# Altium PCB CM5_Adapter.PcbDoc (part 1 of 2) (continued)
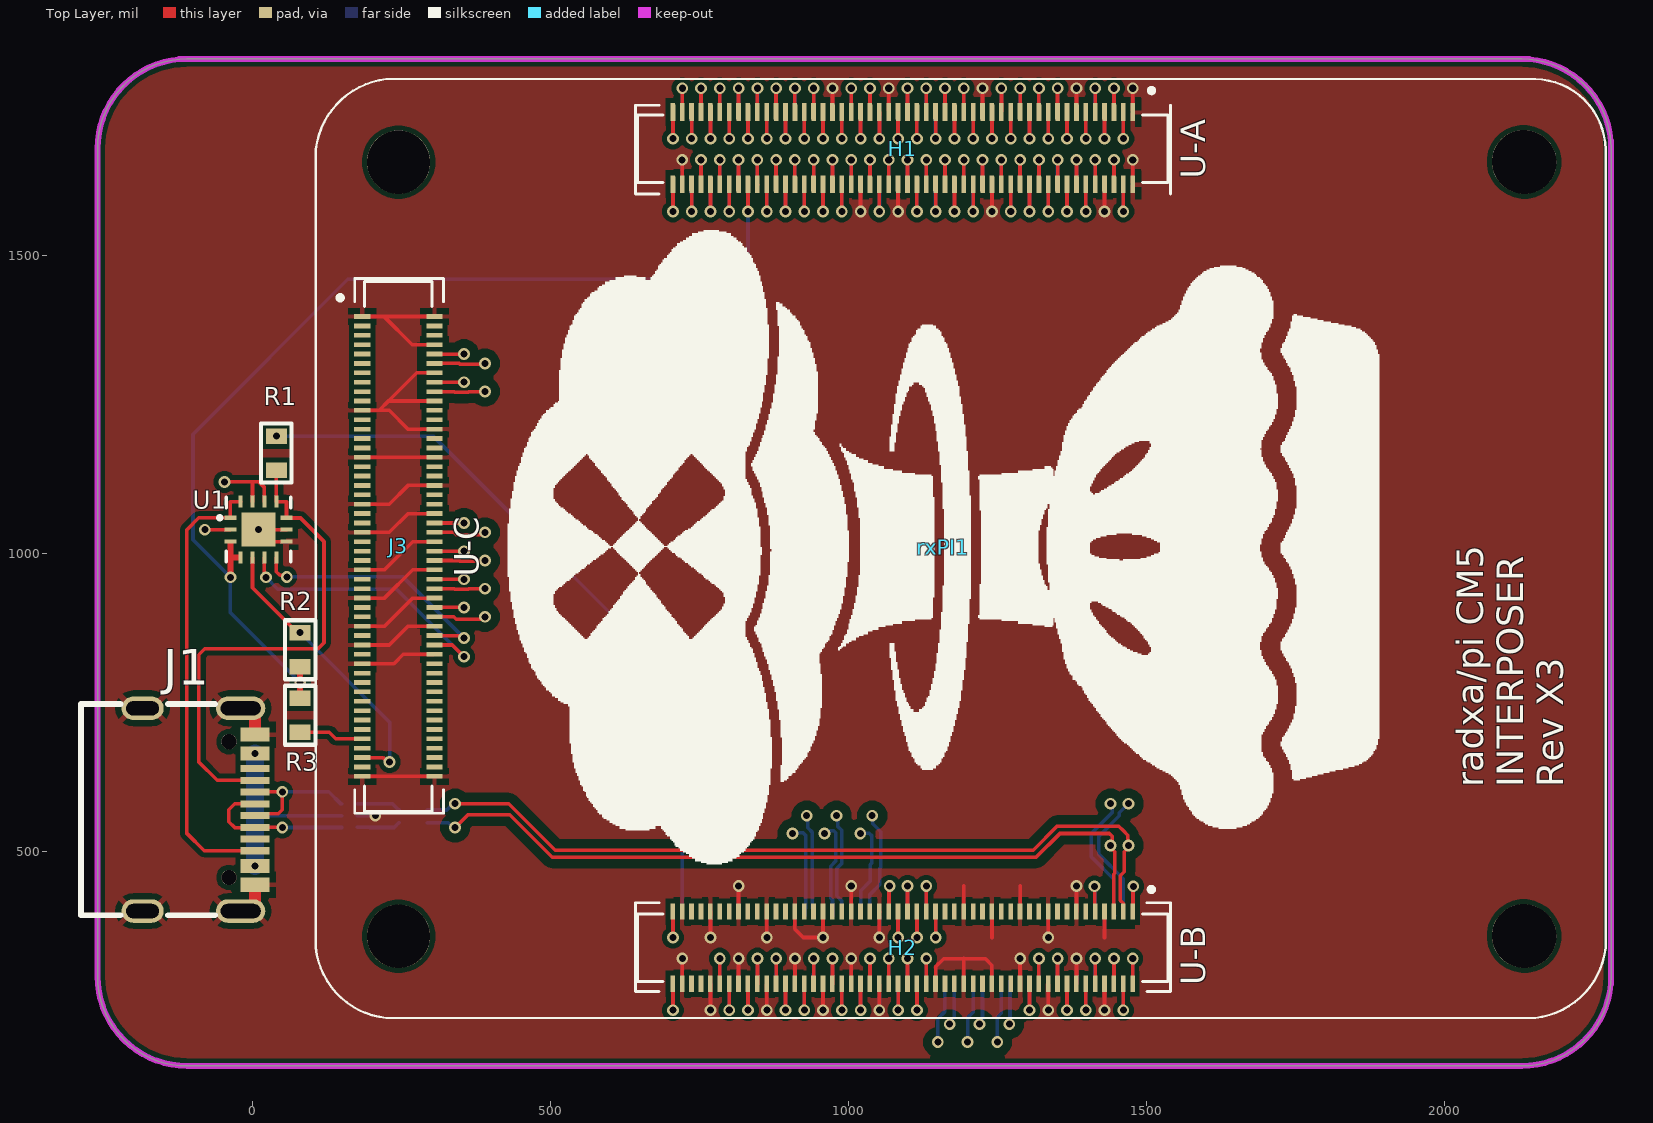
[diagram p0: Top Layer view]
## Footprints (in the part's own frame and the unit in brackets; to place one, negate y for a bottom-side part, rotate by r counter-clockwise, add the part's x,y. Pads: shape width x height; smd on the part's side, far side on the other; paste and mask are expansions set on the pad)
0603 [mil] "Common Chip Resistor 0603 (1608 Metric)"
  rect 26x35 smd: 1(0,0) 2(57,0)
  silkscreen extent -21,-26 78,26, body extent -2,-16 59,16, height 17
DF40C-100DP-0.4V(51) [mm]
  rect 0.23x0.66 smd: 1(-9.8,-1.355) 2(-9.8,1.355) 3(-9.4,-1.355) 4(-9.4,1.355) 5(-9,-1.355) 6(-9,1.355) 7(-8.6,-1.355) 8(-8.6,1.355) 9(-8.2,-1.355) 10(-8.2,1.355) 11(-7.8,-1.355) 12(-7.8,1.355) 13(-7.4,-1.355) 14(-7.4,1.355) 15(-7,-1.355) 16(-7,1.355) 17(-6.6,-1.355) 18(-6.6,1.355) 19(-6.2,-1.355) 20(-6.2,1.355) 21(-5.8,-1.355) 22(-5.8,1.355) 23(-5.4,-1.355) 24(-5.4,1.355) 25(-5,-1.355) 26(-5,1.355) 27(-4.6,-1.355) 28(-4.6,1.355) 29(-4.2,-1.355) 30(-4.2,1.355) 31(-3.8,-1.355) 32(-3.8,1.355) 33(-3.4,-1.355) 34(-3.4,1.355) 35(-3,-1.355) 36(-3,1.355) 37(-2.6,-1.355) 38(-2.6,1.355) 39(-2.2,-1.355) 40(-2.2,1.355) 41(-1.8,-1.355) 42(-1.8,1.355) 43(-1.4,-1.355) 44(-1.4,1.355) 45(-1,-1.355) 46(-1,1.355) 47(-0.6,-1.355) 48(-0.6,1.355) 49(-0.2,-1.355) 50(-0.2,1.355) 51(0.2,-1.355) 52(0.2,1.355) 53(0.6,-1.355) 54(0.6,1.355) 55(1,-1.355) 56(1,1.355) 57(1.4,-1.355) 58(1.4,1.355) 59(1.8,-1.355) 60(1.8,1.355) 61(2.2,-1.355) 62(2.2,1.355) 63(2.6,-1.355) 64(2.6,1.355) 65(3,-1.355) 66(3,1.355) 67(3.4,-1.355) 68(3.4,1.355) 69(3.8,-1.355) 70(3.8,1.355) 71(4.2,-1.355) 72(4.2,1.355) 73(4.6,-1.355) 74(4.6,1.355) 75(5,-1.355) 76(5,1.355) 77(5.4,-1.355) 78(5.4,1.355) 79(5.8,-1.355) 80(5.8,1.355) 81(6.2,-1.355) 82(6.2,1.355) 83(6.6,-1.355) 84(6.6,1.355) 85(7,-1.355) 86(7,1.355) 87(7.4,-1.355) 88(7.4,1.355) 89(7.8,-1.355) 90(7.8,1.355) 91(8.2,-1.355) 92(8.2,1.355) 93(8.6,-1.355) 94(8.6,1.355) 95(9,-1.355) 96(9,1.355) 97(9.4,-1.355) 98(9.4,1.355) 99(9.8,-1.355) 100(9.8,1.355)
  rect 0.35x0.66 smd: S1(-10.275,-1.355) S2(-10.275,1.355) S3(10.275,-1.355) S4(10.275,1.355)
  silkscreen extent -10.76,-2.35 10.76,0.92, body extent -10.76,-1.52 10.76,1.45, height 1.13
DF40C-100DS-0.4V(51) [mm] "Hirose 100pos RCPT (Short)"
  rect 0.2x0.7 smd paste-1: 1(9.8,1.54) 2(9.8,-1.54) 3(9.4,1.54) 4(9.4,-1.54) 5(9,1.54) 6(9,-1.54) 7(8.6,1.54) 8(8.6,-1.54) 9(8.2,1.54) 10(8.2,-1.54) 11(7.8,1.54) 12(7.8,-1.54) 13(7.4,1.54) 14(7.4,-1.54) 15(7,1.54) 16(7,-1.54) 17(6.6,1.54) 18(6.6,-1.54) 19(6.2,1.54) 20(6.2,-1.54) 21(5.8,1.54) 22(5.8,-1.54) 23(5.4,1.54) 24(5.4,-1.54) 25(5,1.54) 26(5,-1.54) 27(4.6,1.54) 28(4.6,-1.54) 29(4.2,1.54) 30(4.2,-1.54) 31(3.8,1.54) 32(3.8,-1.54) 33(3.4,1.54) 34(3.4,-1.54) 35(3,1.54) 36(3,-1.54) 37(2.6,1.54) 38(2.6,-1.54) 39(2.2,1.54) 40(2.2,-1.54) 41(1.8,1.54) 42(1.8,-1.54) 43(1.4,1.54) 44(1.4,-1.54) 45(1,1.54) 46(1,-1.54) 47(0.6,1.54) 48(0.6,-1.54) 49(0.2,1.54) 50(0.2,-1.54) 51(-0.2,1.54) 52(-0.2,-1.54) 53(-0.6,1.54) 54(-0.6,-1.54) 55(-1,1.54) 56(-1,-1.54) 57(-1.4,1.54) 58(-1.4,-1.54) 59(-1.8,1.54) 60(-1.8,-1.54) 61(-2.2,1.54) 62(-2.2,-1.54) 63(-2.6,1.54) 64(-2.6,-1.54) 65(-3,1.54) 66(-3,-1.54) 67(-3.4,1.54) 68(-3.4,-1.54) 69(-3.8,1.54) 70(-3.8,-1.54) 71(-4.2,1.54) 72(-4.2,-1.54) 73(-4.6,1.54) 74(-4.6,-1.54) 75(-5,1.54) 76(-5,-1.54) 77(-5.4,1.54) 78(-5.4,-1.54) 79(-5.8,1.54) 80(-5.8,-1.54) 81(-6.2,1.54) 82(-6.2,-1.54) 83(-6.6,1.54) 84(-6.6,-1.54) 85(-7,1.54) 86(-7,-1.54) 87(-7.4,1.54) 88(-7.4,-1.54) 89(-7.8,1.54) 90(-7.8,-1.54) 91(-8.2,1.54) 92(-8.2,-1.54) 93(-8.6,1.54) 94(-8.6,-1.54) 95(-9,1.54) 96(-9,-1.54) 97(-9.4,1.54) 98(-9.4,-1.54) 99(-9.8,1.54) 100(-9.8,-1.54)
  silkscreen extent -11.3,-1.44 11.3,2.58, body extent -11.3,-1.69 11.3,1.69, height 1.6
FP-SOT886-MFG [mm]
  rect 0.325x0.27 smd: 1(-0.337,0.5) 2(-0.337,0) 3(-0.337,-0.5) 4(0.337,-0.5) 5(0.337,0) 6(0.337,0.5)
  silkscreen extent -0.94,-1.01 0.53,1.01, body extent -0.5,-0.72 0.5,0.72, height 0.5
GT-USB-7010ASV [mm] "USB-C 2.0"
  rect 0.6x1.24 smd paste-100 mask+0.05: A1B12(-3.2,2.4) A4B9(-2.4,2.4) B1A12(3.2,2.4) B4A9(2.4,2.4)
  rect 0.3x1.24 smd paste-100 mask+0.05: A5(-1.25,2.4) A6(-0.25,2.4) A7(0.25,2.4) A8(1.25,2.4) B5(1.75,2.4) B6(0.75,2.4) B7(-0.75,2.4) B8(-1.75,2.4)
  oval 1x2.1 hole 0.6 slot 1.7 at 90 deg paste-2539.97 mask+0.05: S1(-4.32,1.78) S2(4.32,1.78)
  oval 1x1.8 hole 0.6 slot 1.4 at 90 deg paste-2539.97 mask+0.05: S3(4.32,-2.4) S4(-4.32,-2.4)
  round 0.65 hole 0.65 unplated: ""(-2.9,1.28) ""(2.89,1.28)
  silkscreen extent -4.5,-5.03 4.5,0.69, body extent -4.47,-5.03 4.47,2.57, height 3.3
MLP14_2P5X2P5_ONS-L [mil]
  rect 20x7 smd: 1(-47,20) 2(-47,0) 3(-47,-20) 8(47,-20) 9(47,0) 10(47,20)
  rect 7x20 smd: 4(-30,-47) 5(-10,-47) 6(10,-47) 7(30,-47) 11(30,47) 12(10,47) 13(-10,47) 14(-30,47)
  rect 57x57 smd: 15(0,0)
  silkscreen extent -66,-54 54,54, body extent -49,-49 49,49, height 30
"rP-200P-CM-REP (top)" [mm] "Landing-Pad for 200-pin compute modules"
  rect 0.7x0.2 smd mask+0: 1(-18.597,-7.29) 2(-15.517,-7.29) 3(-18.597,-6.89) 4(-15.517,-6.89) 5(-18.597,-6.49) 6(-15.517,-6.49) 7(-18.597,-6.09) 8(-15.517,-6.09) 9(-18.597,-5.69) 10(-15.517,-5.69) 11(-18.597,-5.29) 12(-15.517,-5.29) 13(-18.597,-4.89) 14(-15.517,-4.89) 15(-18.597,-4.49) 16(-15.517,-4.49) 17(-18.597,-4.09) 18(-15.517,-4.09) 19(-18.597,-3.69) 20(-15.517,-3.69) 21(-18.597,-3.29) 22(-15.517,-3.29) 23(-18.597,-2.89) 24(-15.517,-2.89) 25(-18.597,-2.49) 26(-15.517,-2.49) 27(-18.597,-2.09) 28(-15.517,-2.09) 29(-18.597,-1.69) 30(-15.517,-1.69) 31(-18.597,-1.29) 32(-15.517,-1.29) 33(-18.597,-0.89) 34(-15.517,-0.89) 35(-18.597,-0.49) 36(-15.517,-0.49) 37(-18.597,-0.09) 38(-15.517,-0.09) 39(-18.597,0.31) 40(-15.517,0.31) 41(-18.597,0.71) 42(-15.517,0.71) 43(-18.597,1.11) 44(-15.517,1.11) 45(-18.597,1.51) 46(-15.517,1.51) 47(-18.597,1.91) 48(-15.517,1.91) 49(-18.597,2.31) 50(-15.517,2.31) 51(-18.597,2.71) 52(-15.517,2.71) 53(-18.597,3.11) 54(-15.517,3.11) 55(-18.597,3.51) 56(-15.517,3.51) 57(-18.597,3.91) 58(-15.517,3.91) 59(-18.597,4.31) 60(-15.517,4.31) 61(-18.597,4.71) 62(-15.517,4.71) 63(-18.597,5.11) 64(-15.517,5.11) 65(-18.597,5.51) 66(-15.517,5.51) 67(-18.597,5.91) 68(-15.517,5.91) 69(-18.597,6.31) 70(-15.517,6.31) 71(-18.597,6.71) 72(-15.517,6.71) 73(-18.597,7.11) 74(-15.517,7.11) 75(-18.597,7.51) 76(-15.517,7.51) 77(-18.597,7.91) 78(-15.517,7.91) 79(-18.597,8.31) 80(-15.517,8.31) 81(-18.597,8.71) 82(-15.517,8.71) 83(-18.597,9.11) 84(-15.517,9.11) 85(-18.597,9.51) 86(-15.517,9.51) 87(-18.597,9.91) 88(-15.517,9.91) 89(-18.597,10.31) 90(-15.517,10.31) 91(-18.597,10.71) 92(-15.517,10.71) 93(-18.597,11.11) 94(-15.517,11.11) 95(-18.597,11.51) 96(-15.517,11.51) 97(-18.597,11.91) 98(-15.517,11.91) 99(-18.597,12.31) 100(-15.517,12.31) 101(15.517,-7.29) 102(18.597,-7.29) 103(15.517,-6.89) 104(18.597,-6.89) 105(15.517,-6.49) 106(18.597,-6.49) 107(15.517,-6.09) 108(18.597,-6.09) 109(15.517,-5.69) 110(18.597,-5.69) 111(15.517,-5.29) 112(18.597,-5.29) 113(15.517,-4.89) 114(18.597,-4.89) 115(15.517,-4.49) 116(18.597,-4.49) 117(15.517,-4.09) 118(18.597,-4.09) 119(15.517,-3.69) 120(18.597,-3.69) 121(15.517,-3.29) 122(18.597,-3.29) 123(15.517,-2.89) 124(18.597,-2.89) 125(15.517,-2.49) 126(18.597,-2.49) 127(15.517,-2.09) 128(18.597,-2.09) 129(15.517,-1.69) 130(18.597,-1.69) 131(15.517,-1.29) 132(18.597,-1.29) 133(15.517,-0.89) 134(18.597,-0.89) 135(15.517,-0.49) 136(18.597,-0.49) 137(15.517,-0.09) 138(18.597,-0.09) 139(15.517,0.31) 140(18.597,0.31) 141(15.517,0.71) 142(18.597,0.71) 143(15.517,1.11) 144(18.597,1.11) 145(15.517,1.51) 146(18.597,1.51) 147(15.517,1.91) 148(18.597,1.91) 149(15.517,2.31) 150(18.597,2.31) 151(15.517,2.71) 152(18.597,2.71) 153(15.517,3.11) 154(18.597,3.11) 155(15.517,3.51) 156(18.597,3.51) 157(15.517,3.91) 158(18.597,3.91) 159(15.517,4.31) 160(18.597,4.31) 161(15.517,4.71) 162(18.597,4.71) 163(15.517,5.11) 164(18.597,5.11) 165(15.517,5.51) 166(18.597,5.51) 167(15.517,5.91) 168(18.597,5.91) 169(15.517,6.31) 170(18.597,6.31) 171(15.517,6.71) 172(18.597,6.71) 173(15.517,7.11) 174(18.597,7.11) 175(15.517,7.51) 176(18.597,7.51) 177(15.517,7.91) 178(18.597,7.91) 179(15.517,8.31) 180(18.597,8.31) 181(15.517,8.71) 182(18.597,8.71) 183(15.517,9.11) 184(18.597,9.11) 185(15.517,9.51) 186(18.597,9.51) 187(15.517,9.91) 188(18.597,9.91) 189(15.517,10.31) 190(18.597,10.31) 191(15.517,10.71) 192(18.597,10.71) 193(15.517,11.11) 194(18.597,11.11) 195(15.517,11.51) 196(18.597,11.51) 197(15.517,11.91) 198(18.597,11.91) 199(15.517,12.31) 200(18.597,12.31)
  round 2.7 hole 2.7 paste-2539.97 mask+1.7: Un1(-16.427,24) Un2(16.573,-24) Un3(16.573,24) Un4(-16.427,-24)
  silkscreen extent -19.93,-27.5 20.07,27.5
RX-300P-CM-FTPD [mm] "Landing-Pad for 300-pin radxa compute modules"
  rect 0.7x0.2 smd mask+0: 1(18.597,-8.09) 2(15.517,-8.09) 3(18.597,-7.69) 4(15.517,-7.69) 5(18.597,-7.29) 6(15.517,-7.29) 7(18.597,-6.89) 8(15.517,-6.89) 9(18.597,-6.49) 10(15.517,-6.49) 11(18.597,-6.09) 12(15.517,-6.09) 13(18.597,-5.69) 14(15.517,-5.69) 15(18.597,-5.29) 16(15.517,-5.29) 17(18.597,-4.89) 18(15.517,-4.89) 19(18.597,-4.49) 20(15.517,-4.49) 21(18.597,-4.09) 22(15.517,-4.09) 23(18.597,-3.69) 24(15.517,-3.69) 25(18.597,-3.29) 26(15.517,-3.29) 27(18.597,-2.89) 28(15.517,-2.89) 29(18.597,-2.49) 30(15.517,-2.49) 31(18.597,-2.09) 32(15.517,-2.09) 33(18.597,-1.69) 34(15.517,-1.69) 35(18.597,-1.29) 36(15.517,-1.29) 37(18.597,-0.89) 38(15.517,-0.89) 39(18.597,-0.49) 40(15.517,-0.49) 41(18.597,-0.09) 42(15.517,-0.09) 43(18.597,0.31) 44(15.517,0.31) 45(18.597,0.71) 46(15.517,0.71) 47(18.597,1.11) 48(15.517,1.11) 49(18.597,1.51) 50(15.517,1.51) 51(18.597,1.91) 52(15.517,1.91) 53(18.597,2.31) 54(15.517,2.31) 55(18.597,2.71) 56(15.517,2.71) 57(18.597,3.11) 58(15.517,3.11) 59(18.597,3.51) 60(15.517,3.51) 61(18.597,3.91) 62(15.517,3.91) 63(18.597,4.31) 64(15.517,4.31) 65(18.597,4.71) 66(15.517,4.71) 67(18.597,5.11) 68(15.517,5.11) 69(18.597,5.51) 70(15.517,5.51) 71(18.597,5.91) 72(15.517,5.91) 73(18.597,6.31) 74(15.517,6.31) 75(18.597,6.71) 76(15.517,6.71) 77(18.597,7.11) 78(15.517,7.11) 79(18.597,7.51) 80(15.517,7.51) 81(18.597,7.91) 82(15.517,7.91) 83(18.597,8.31) 84(15.517,8.31) 85(18.597,8.71) 86(15.517,8.71) 87(18.597,9.11) 88(15.517,9.11) 89(18.597,9.51) 90(15.517,9.51) 91(18.597,9.91) 92(15.517,9.91) 93(18.597,10.31) 94(15.517,10.31) 95(18.597,10.71) 96(15.517,10.71) 97(18.597,11.11) 98(15.517,11.11) 99(18.597,11.51) 100(15.517,11.51) 101(-15.517,-8.09) 102(-18.597,-8.09) 103(-15.517,-7.69) 104(-18.597,-7.69) 105(-15.517,-7.29) 106(-18.597,-7.29) 107(-15.517,-6.89) 108(-18.597,-6.89) 109(-15.517,-6.49) 110(-18.597,-6.49) 111(-15.517,-6.09) 112(-18.597,-6.09) 113(-15.517,-5.69) 114(-18.597,-5.69) 115(-15.517,-5.29) 116(-18.597,-5.29) 117(-15.517,-4.89) 118(-18.597,-4.89) 119(-15.517,-4.49) 120(-18.597,-4.49) 121(-15.517,-4.09) 122(-18.597,-4.09) 123(-15.517,-3.69) 124(-18.597,-3.69) 125(-15.517,-3.29) 126(-18.597,-3.29) 127(-15.517,-2.89) 128(-18.597,-2.89) 129(-15.517,-2.49) 130(-18.597,-2.49) 131(-15.517,-2.09) 132(-18.597,-2.09) 133(-15.517,-1.69) 134(-18.597,-1.69) 135(-15.517,-1.29) 136(-18.597,-1.29) 137(-15.517,-0.89) 138(-18.597,-0.89) 139(-15.517,-0.49) 140(-18.597,-0.49) 141(-15.517,-0.09) 142(-18.597,-0.09) 143(-15.517,0.31) 144(-18.597,0.31) 145(-15.517,0.71) 146(-18.597,0.71) 147(-15.517,1.11) 148(-18.597,1.11) 149(-15.517,1.51) 150(-18.597,1.51) 151(-15.517,1.91) 152(-18.597,1.91) 153(-15.517,2.31) 154(-18.597,2.31) 155(-15.517,2.71) 156(-18.597,2.71) 157(-15.517,3.11) 158(-18.597,3.11) 159(-15.517,3.51) 160(-18.597,3.51) 161(-15.517,3.91) 162(-18.597,3.91) 163(-15.517,4.31) 164(-18.597,4.31) 165(-15.517,4.71) 166(-18.597,4.71) 167(-15.517,5.11) 168(-18.597,5.11) 169(-15.517,5.51) 170(-18.597,5.51) 171(-15.517,5.91) 172(-18.597,5.91) 173(-15.517,6.31) 174(-18.597,6.31) 175(-15.517,6.71) 176(-18.597,6.71) 177(-15.517,7.11) 178(-18.597,7.11) 179(-15.517,7.51) 180(-18.597,7.51) 181(-15.517,7.91) 182(-18.597,7.91) 183(-15.517,8.31) 184(-18.597,8.31) 185(-15.517,8.71) 186(-18.597,8.71) 187(-15.517,9.11) 188(-18.597,9.11) 189(-15.517,9.51) 190(-18.597,9.51) 191(-15.517,9.91) 192(-18.597,9.91) 193(-15.517,10.31) 194(-18.597,10.31) 195(-15.517,10.71) 196(-18.597,10.71) 197(-15.517,11.11) 198(-18.597,11.11) 199(-15.517,11.51) 200(-18.597,11.51)
  rect 0.2x0.7 smd mask+0: 201(9.845,21.67) 202(9.845,24.75) 203(9.445,21.67) 204(9.445,24.75) 205(9.045,21.67) 206(9.045,24.75) 207(8.645,21.67) 208(8.645,24.75) 209(8.245,21.67) 210(8.245,24.75) 211(7.845,21.67) 212(7.845,24.75) 213(7.445,21.67) 214(7.445,24.75) 215(7.045,21.67) 216(7.045,24.75) 217(6.645,21.67) 218(6.645,24.75) 219(6.245,21.67) 220(6.245,24.75) 221(5.845,21.67) 222(5.845,24.75) 223(5.445,21.67) 224(5.445,24.75) 225(5.045,21.67) 226(5.045,24.75) 227(4.645,21.67) 228(4.645,24.75) 229(4.245,21.67) 230(4.245,24.75) 231(3.845,21.67) 232(3.845,24.75) 233(3.445,21.67) 234(3.445,24.75) 235(3.045,21.67) 236(3.045,24.75) 237(2.645,21.67) 238(2.645,24.75) 239(2.245,21.67) 240(2.245,24.75) 241(1.845,21.67) 242(1.845,24.75) 243(1.445,21.67) 244(1.445,24.75) 245(1.045,21.67) 246(1.045,24.75) 247(0.645,21.67) 248(0.645,24.75) 249(0.245,21.67) 250(0.245,24.75) 251(-0.155,21.67) 252(-0.155,24.75) 253(-0.555,21.67) 254(-0.555,24.75) 255(-0.955,21.67) 256(-0.955,24.75) 257(-1.355,21.67) 258(-1.355,24.75) 259(-1.755,21.67) 260(-1.755,24.75) 261(-2.155,21.67) 262(-2.155,24.75) 263(-2.555,21.67) 264(-2.555,24.75) 265(-2.955,21.67) 266(-2.955,24.75) 267(-3.355,21.67) 268(-3.355,24.75) 269(-3.755,21.67) 270(-3.755,24.75) 271(-4.155,21.67) 272(-4.155,24.75) 273(-4.555,21.67) 274(-4.555,24.75) 275(-4.955,21.67) 276(-4.955,24.75) 277(-5.355,21.67) 278(-5.355,24.75) 279(-5.755,21.67) 280(-5.755,24.75) 281(-6.155,21.67) 282(-6.155,24.75) 283(-6.555,21.67) 284(-6.555,24.75) 285(-6.955,21.67) 286(-6.955,24.75) 287(-7.355,21.67) 288(-7.355,24.75) 289(-7.755,21.67) 290(-7.755,24.75) 291(-8.155,21.67) 292(-8.155,24.75) 293(-8.555,21.67) 294(-8.555,24.75) 295(-8.955,21.67) 296(-8.955,24.75) 297(-9.355,21.67) 298(-9.355,24.75) 299(-9.755,21.67) 300(-9.755,24.75)
  round 2.7 hole 2.7 paste-2539.97 mask+1.7: Un2(-16.553,-24.749) Un3(-16.573,23.201) Un4(16.447,-24.749) ""(16.427,23.201)
  silkscreen extent -20.05,-28.25 19.97,26.73
SMD-6-2CH [mm] "SMD Common Mode Filters"
  rect 0.35x0.4 smd: 1(-0.275,-0.6) 2(0.275,-0.6) 3(0.275,0.6) 4(-0.275,0.6)
  rect 0.4x0.3 smd: 5(-0.475,0) 6(0.475,0)
  silkscreen extent -0.63,-1.09 0.64,0.89, body extent -0.68,-0.89 0.67,0.88, height 1

## Part data
D1: library part PRTR5V0U2F,115, "TVS DIODE 5.5V 6XSON SOT886", Ambient Temperature Range High=+85°C, Ambient Temperature Range Low=-40°C, Breakdown Voltage=6V, Capacitance=1pF, LCSC PN=C478118, Manufacturer=Nexperia, Package=SOT886, Reverse Standoff Voltage=5.5V, Supplier Part Number 1=6047094, Automotive=Yes, Automotive Grade="Grade 3", Category=Diode, ComponentLink2Description=Datasheet, ComponentLink2URL=https://assets.nexperia.com/documents/data-sheet/PRTR5V0U2F_PRTR5V0U2K.pdf, Device Class L1="Circuit Protection", Device Class L2="TVS Diodes", Device Class L3=unset, Digikey Description="TVS DIODE 5.5V 6XSON SOT886", Direction=Unidirectional, Footprint Url=https://assets.nexperia.com/documents/outline-drawing/SOT886.pdf, Height=0.5mm, Lead Free=Yes, Manufacturer Part Number=PRTR5V0U2F,115, Number of Channels=2, Octopart=https://octopart.com/prtr5v0u2f%2C115-nexperia-78741690, RoHS=TRUE, Supplier 1="Future Electronics"
H1 H2 J3: library part "DF40-100DS RCPT_1", "100 Position Connector Receptacle, Center Strip Contacts Surface Mount Gold", LCSC PN=C597931, Package=None, Supplier Part Number 1=DF40C-100DS-0.4V(5, Check_prices=https://www.snapeda.com/parts/DF40C-100DS-0.4V(51)/Hirose/view-part/?ref=eda, MF=Hirose, MP=DF40C-100DS-0.4V(51), SnapEDA_Link=https://www.snapeda.com/parts/DF40C-100DS-0.4V(51)/Hirose/view-part/?ref=snap, Supplier 1=Avnet, Supplier 2=Digikey, Supplier Part Number 2=26-DF40HC(3.0)-100DS-0.4V(51)CT-ND
HA HB: library part "DF40-XX-100DS RCPT", "100 Position Connector Receptacle, Center Strip Contacts Surface Mount Gold", LCSC PN=C19089239, Package=None, Supplier Part Number 1=DF40C-100DS-0.4V(5, Check_prices=https://www.snapeda.com/parts/DF40C-100DS-0.4V(51)/Hirose/view-part/?ref=eda, MF=Hirose, MP=DF40C-100DS-0.4V(51), SnapEDA_Link=https://www.snapeda.com/parts/DF40C-100DS-0.4V(51)/Hirose/view-part/?ref=snap, Supplier 1=Avnet, Supplier 2=Digikey, Supplier Part Number 2=26-DF40HC(3.0)-100DS-0.4V(51)CT-ND
J1: library part 12402012E212A, "USB-C (USB TYPE-C) USB 2.0 Receptacle Connector 24 (16+8 Dummy) Position Surface Mount, Right Angle; Through Hole", LCSC PN=C2988369, Supplier Part Number 1=71AJ9393, Supplier 1=Newark, Supplier 2=Avnet, Supplier Part Number 2=12402012E212A
L1: library part ICMEF112P350MFR, "35Ω@100MHz -40℃~+85℃ 4Ω 5V 2 100mA SMD Common Mode Filters ROHS", LCSC PN=C396460, Supplier Part Number 1=710-748020024, Supplier 1=Mouser
R1 R2 R3: Power=1/10W, Tolerance=1%
rPI1: library part RP-CM5-Rep, "Compute Module 5 adapter Footprint / Overlap Hirose 100P connector over pads to place actual components"
rxPI1: library part RX-CM5, "Radxa Compute Module 5 Footprint / Overlap Hirose 100P connector over pads to place actual components"
U1: "IC USB TYPE C CTLR PROGR 14-MLP", LCSC PN=C132291, Manufacturer_Name=onsemi, Copyright="Copyright (C) 2025 Ultra Librarian. All rights reserved.", Manufacturer_Part_Number=FUSB302BMPX, RefDes=RefDes, Type=Type

## Via types
v1: diameter 19.68, hole 11.81, Top Layer to Bottom Layer, 203 vias

## Nets (pads, with @x,y where several pads share a name; then routed paths per layer and width w, separated by ;. In a path a pad name is that pad's centre, name@x,y a point inside that pad or via, vN(x,y) a via of type N, cw(c..) or ccw(c..) an arc to the next point about the centre after c; other vN are vias at no path point)
5VDC_BUS: D1.5 H1.77 H1.79 H1.81 H1.83 H1.85 H1.87 HA.78 HA.80 HA.82 HA.84 HA.86 HA.88 J1.A4B9 J1.B4A9 rPI1.77 rPI1.79 rPI1.81 rPI1.83 rPI1.85 rPI1.87 rxPI1.77 rxPI1.79 rxPI1.81 rxPI1.83 rxPI1.85 rxPI1.87 U1.2 U1.12 U1.13 | length 3002
  Top Layer w6: v1(-80,1040) U1.2@-37,1040 ; v1(-47,1120) 0,1120 ; U1.13@0,1087 0,1120 ; U1.12@20,1087 20,1110.64 10.64,1120 0,1120
  Top Layer w6.3: rxPI1.87@799.85,1742.17 799.95,1742.07 799.95,1696.16 v1(800.04,1696.06) ; H1.85@815.79,1739.81 v1(815.79,1780.71) ; rxPI1.83@831.35,1742.17 831.44,1742.07 831.44,1696.16 v1(831.54,1696.06) ; rxPI1.81@847.1,1742.17 847.19,1742.26 847.19,1780.62 v1(847.28,1780.71) ; rxPI1.79@862.84,1742.17 862.94,1742.07 862.94,1696.16 v1(863.03,1696.06) ; rxPI1.77@878.59,1742.17 878.69,1742.26 878.69,1780.62 v1(878.78,1780.71)
  Sig2 w30: v1@-79.88,1040.12 -79.88,1087.12 v1(-47,1120) -37.67,1129.33 250,1129.33 ; v1(4.49,664.49) 50,664.49 250,864.49 250,1129.33 ; 831.54,1740 580,1740 250,1410 250,1129.33
  Bottom Layer w6: 4.49,560 D1.5@149.48,560
  Bottom Layer w6.3: rPI1.87@799.85,1742.17 799.85,1725.24 800.04,1725.05 v1(800.04,1696.06) ; rPI1.85@815.6,1742.17 815.6,1759.1 815.79,1759.28 v1(815.79,1780.71) ; rPI1.83@831.35,1742.17 831.35,1725.24 831.54,1725.05 v1(831.54,1696.06) ; rPI1.81@847.1,1742.17 847.1,1759.1 847.28,1759.28 v1(847.28,1780.71) ; rPI1.79@862.84,1742.17 862.84,1725.24 863.03,1725.05 v1(863.03,1696.06) ; rPI1.77@878.59,1742.17 878.59,1759.1 878.78,1759.28 v1(878.78,1780.71)
  Bottom Layer w30: v1(4.49,475.51) 4.49,560 v1(4.49,664.49)
CC_INTO_L: J3.95 R2.1 rxPI1.296 U1.5 | length 489.9
  Top Layer w6: U1.5@0,993 0,942.5 75.5,867 v1(80,867) ; J3.95@184.13,657.45 218.85,657.45 226.3,650 v1(230,650)
  Bottom Layer w6: v1(80,867) 230,717 v1(230,650)
GND: D1.2 H1.1 H1.2 H1.7 H1.8 H1.13 H1.14 H1.22 H1.23 H1.32 H1.33 H1.42 H1.43 H1.52 H1.53 H1.60 H1.65 H1.66 H1.71 H1.74 H1.98 H2.7 H2.8 H2.13 H2.14 H2.19 H2.20 H2.25 H2.26 H2.31 H2.32 H2.37 H2.38 H2.44 H2.50 H2.55 H2.56 H2.61 H2.62 H2.67 H2.68 H2.73 H2.74 H2.79 H2.80 H2.85 H2.86 H2.91 H2.92 H2.97 H2.98 HA.1 HA.2 HA.7 HA.8 HA.13 HA.14 HA.21 HA.24 HA.31 HA.34 HA.41 HA.44 HA.51 HA.54 HA.59 HA.65 HA.66 HA.72 HA.73 HA.97 HB.7 HB.8 HB.13 HB.14 HB.19 HB.20 HB.25 HB.26 HB.31 HB.32 HB.37 HB.38 HB.43 HB.49 HB.55 HB.56 HB.61 HB.62 HB.67 HB.68 HB.73 HB.74 HB.79 HB.80 HB.85 HB.86 HB.91 HB.92 HB.97 J1.A1B12 J1.B1A12 J1.S1 J1.S2 J1.S3 J1.S4 J3.1 J3.2 J3.8 J3.14 J3.20 J3.21 J3.26 J3.31 J3.32 J3.38 J3.41 J3.44 J3.47 J3.50 J3.55 J3.56 J3.61 J3.62 J3.67 J3.68 J3.71 J3.74 J3.75 J3.99 J3.100 L1.5 L1.6 rPI1.1 rPI1.2 rPI1.7 rPI1.8 rPI1.13 rPI1.14 rPI1.22 rPI1.23 rPI1.32 rPI1.33 rPI1.42 rPI1.43 rPI1.52 rPI1.53 rPI1.60 rPI1.65 rPI1.66 rPI1.71 rPI1.74 rPI1.98 rPI1.107 rPI1.108 rPI1.113 rPI1.114 rPI1.119 rPI1.120 rPI1.125 rPI1.126 rPI1.131 rPI1.132 rPI1.137 rPI1.138 rPI1.144 rPI1.150 rPI1.155 rPI1.156 rPI1.161 rPI1.162 rPI1.167 rPI1.168 rPI1.173 rPI1.174 rPI1.179 rPI1.180 rPI1.185 rPI1.186 rPI1.191 rPI1.192 rPI1.198 rxPI1.1 rxPI1.2 rxPI1.7 rxPI1.8 rxPI1.13 rxPI1.14 rxPI1.22 rxPI1.23 rxPI1.32 rxPI1.33 rxPI1.42 rxPI1.43 rxPI1.52 rxPI1.53 rxPI1.60 rxPI1.65 rxPI1.66 rxPI1.71 rxPI1.74 rxPI1.98 rxPI1.107 rxPI1.108 rxPI1.113 rxPI1.114 rxPI1.119 rxPI1.120 rxPI1.125 rxPI1.126 rxPI1.131 rxPI1.132 rxPI1.137 rxPI1.138 rxPI1.144 rxPI1.150 rxPI1.155 rxPI1.156 rxPI1.161 rxPI1.162 rxPI1.167 rxPI1.168 rxPI1.173 rxPI1.174 rxPI1.179 rxPI1.180 rxPI1.185 rxPI1.186 rxPI1.191 rxPI1.192 rxPI1.197 rxPI1.198 rxPI1.201 rxPI1.202 rxPI1.207 rxPI1.213 rxPI1.219 rxPI1.222 rxPI1.225 rxPI1.231 rxPI1.232 rxPI1.237 rxPI1.242 rxPI1.243 rxPI1.248 rxPI1.249 rxPI1.255 rxPI1.256 rxPI1.261 rxPI1.262 rxPI1.267 rxPI1.268 rxPI1.272 rxPI1.273 rxPI1.276 rxPI1.299 rxPI1.300 U1.8 U1.9 U1.15 | length 6460.8
  Top Layer w6: J1.S2@-19.92,399.92 -10.92,399.92 J1.S2@4.49,415.33 ; J1.S1@-19.92,740.08 -10.92,740.08 J1.S1@4.49,724.66 ; U1.8@57,1020 10,1020 v1(10,1040) U1.9@57,1040 ; J3.99@184.13,625.95 J3.100@305.39,625.95 ; J3.75@184.13,814.93 237.36,814.93 253.11,830.68 J3.74@305.39,830.68 ; J3.71@184.13,846.43 229.48,846.43 260.98,877.92 J3.68@305.39,877.92 ; J3.67@184.13,877.92 221.61,877.92 268.85,925.17 J3.62@305.39,925.17 ; J3.61@184.13,925.17 221.61,925.17 268.85,972.41 J3.56@305.39,972.41 ; J3.55@184.13,972.41 221.61,972.41 268.85,1019.66 J3.50@305.39,1019.66 ; J3.47@184.13,1035.4 229.48,1035.4 260.98,1066.9 J3.44@305.39,1066.9 ; J3.41@184.13,1082.65 229.48,1082.65 260.98,1114.14 J3.38@305.39,1114.14 ; J3.31@184.13,1161.39 J3.32@305.39,1161.39 ; J3.21@184.13,1240.13 212.51,1240.13 ; J3.26@305.39,1208.63 260.98,1208.63 229.48,1240.13 212.51,1240.13 ; J3.20@305.39,1255.88 228.26,1255.88 212.51,1240.13 ; J3.14@305.39,1303.12 275.51,1303.12 212.51,1240.13 ; J3.8@305.39,1350.36 267.92,1350.36 220.67,1397.61 J3.1@184.13,1397.61 J3.2@305.39,1397.61 ; H2.73@910.09,399.09 910.09,369.91 924.49,355.51 v1(957.52,355.51) ; H2.44@1146.31,277.83 1146.31,306.31 1160.08,320.08 1193.74,320.08 1193.82,320 1230,320 1240.8,309.2 H2.32@1240.8,277.83
  Top Layer w6.3: H2.97@721.11,399.09 H2.97@721.11,399.09 ; v1(721.11,1660.63) 721.21,1660.54 721.21,1618.65 H1.98@721.3,1618.55 ; H2.98@721.3,276.9 v1(721.3,320.08) ; H2.91@768.36,399.09 768.45,399 768.45,355.61 v1(768.54,355.51) ; v1(768.54,233.46) H2.92@768.54,276.9 ; H2.85@815.6,399.09 815.69,399.19 815.69,442.03 v1(815.79,442.13) ; H2.86@815.79,276.9 v1(815.79,320.08) ; H2.79@862.84,399.09 862.94,399 862.94,355.61 v1(863.03,355.51) ; v1(863.03,233.46) H2.80@863.03,276.9 ; H2.73@910.09,399.09 H2.73@910.18,399.19 ; rxPI1.74@910.09,1620.91 v1(910.09,1660.63) ; H2.74@910.28,276.9 v1(910.28,320.08) ; rxPI1.71@925.84,1742.17 925.93,1742.07 925.93,1696.16 v1(926.02,1696.06) ; H2.67@957.33,399.09 957.43,399 957.43,355.61 v1(957.52,355.51) ; v1(957.52,233.46) H2.68@957.52,276.9 ; rxPI1.66@973.08,1620.91 973.17,1621 973.17,1660.54 v1(973.27,1660.63) ; rxPI1.65@973.08,1742.17 973.17,1742.26 973.17,1780.62 v1(973.27,1780.71) ; H2.61@1004.58,399.09 1004.67,399.19 1004.67,442.03 v1(1004.76,442.13) ; H2.62@1004.76,276.9 v1(1004.76,320.08) ; rxPI1.60@1020.32,1620.91 1020.42,1620.81 1020.42,1574.11 v1(1020.51,1574.02) ; H2.56@1051.82,277.83 1051.91,277.74 1051.91,233.56 v1(1052.01,233.46) ; v1(1052.01,355.51) 1051.91,355.61 1051.91,398.07 H2.55@1052.01,398.16 ; H1.53@1067.76,1739.81 v1(1067.76,1780.71) ; rxPI1.52@1083.32,1620.91 1083.41,1620.81 1083.41,1574.11 v1(1083.5,1574.02) ; H2.50@1099.25,276.9 v1(1099.25,320.08) ; H2.44@1146.31,277.83 H2.44@1146.4,277.74 ; v1(1146.5,1696.06) H1.43@1146.5,1739.81 ; rxPI1.42@1162.06,1620.91 1162.15,1621 1162.15,1660.54 v1(1162.24,1660.63) ; H2.38@1193.55,277.83 1193.65,277.93 1193.65,319.99 1193.74,320.08 ; H2.37@1193.55,399.09 1193.65,399.19 1193.65,442.03 1193.74,442.13 ; rxPI1.33@1225.05,1742.17 1225.14,1742.26 1225.14,1780.62 v1(1225.24,1780.71) ; H2.32@1240.8,277.83 H2.32@1240.89,277.74 ; H2.31@1240.8,399.09 1240.89,399 1240.89,355.61 1240.98,355.51 ; v1(1240.98,1574.02) H1.32@1240.98,1618.55 ; H2.26@1288.04,277.83 1288.13,277.93 1288.13,319.99 v1(1288.23,320.08) ; H2.25@1288.23,398.16 1288.23,442.13 ; v1(1303.98,1696.06) H1.23@1303.98,1739.81 ; H1.22@1319.72,1618.55 v1(1319.72,1660.63) ; H2.20@1335.29,277.83 1335.38,277.74 1335.38,233.56 v1(1335.47,233.46) ; v1(1335.47,355.51) H2.19@1335.47,398.16 ; H2.14@1382.53,277.83 1382.62,277.93 1382.62,319.99 v1(1382.72,320.08) ; rxPI1.13@1382.53,1742.17 1382.62,1742.26 1382.62,1780.62 v1(1382.72,1780.71) ; H2.13@1382.62,399.19 1382.62,442.03 v1(1382.72,442.13) ; H1.14@1382.72,1618.55 v1(1382.72,1660.63) ; H2.8@1429.77,277.83 1429.87,277.74 1429.87,233.56 v1(1429.96,233.46) ; rxPI1.7@1429.77,1742.17 1429.87,1742.07 1429.87,1696.16 v1(1429.96,1696.06) ; H2.7@1429.87,399 1429.87,355.61 1429.96,355.51 ; v1(1429.96,1574.02) H1.8@1429.96,1618.55 ; rxPI1.1@1477.02,1742.17 1477.11,1742.26 1477.11,1780.62 v1(1477.2,1780.71) ; H1.2@1477.2,1618.55 v1(1477.2,1660.63)
  Top Layer w20: J1.S2@4.49,415.33 J1.B1A12@4.49,444.02 ; J1.A1B12@4.49,695.98 J1.S1@4.49,724.66
  Bottom Layer w6: D1.2@176.05,560 v1(206.14,560) ; HB.74@910.28,390.88 910.28,369.72 924.49,355.51 v1(957.52,355.51) ; HB.43@1146.5,284.18 1146.5,306.5 1160.08,320.08 1193.74,320.08 ; 1193.98,319.84 1230.16,319.84 1240.98,309.02 HB.31@1240.98,284.18
  Bottom Layer w6.3: rPI1.198@721.11,277.83 721.11,294.76 721.3,294.95 v1(721.3,320.08) ; rPI1.98@721.11,1620.91 v1(721.11,1660.63) ; rPI1.192@768.36,277.83 768.36,260.9 768.54,260.72 v1(768.54,233.46) ; v1(768.54,355.51) HB.92@768.54,390.88 ; HB.85@815.79,284.18 v1(815.79,320.08) ; HB.86@815.79,390.88 v1(815.79,442.13) ; rPI1.180@862.84,277.83 862.84,260.9 863.03,260.72 v1(863.03,233.46) ; v1(863.03,355.51) HB.80@863.03,390.88 ; rPI1.174@910.09,277.83 910.09,294.76 910.28,294.95 v1(910.28,320.08) ; rPI1.74@910.09,1620.91 v1(910.09,1660.63) ; v1(926.02,1696.06) HA.72@926.02,1732.53 ; rPI1.168@957.33,277.83 957.33,260.9 957.52,260.72 v1(957.52,233.46) ; v1(957.52,355.51) HB.68@957.52,390.88 ; HA.65@973.27,1625.84 v1(973.27,1660.63) ; HA.66@973.27,1732.53 v1(973.27,1780.71) ; rPI1.162@1004.58,277.83 1004.58,294.76 1004.76,294.95 v1(1004.76,320.08) ; HB.62@1004.76,390.88 v1(1004.76,442.13) ; rPI1.60@1020.32,1620.91 1020.32,1603.98 1020.51,1603.79 v1(1020.51,1574.02) ; rPI1.156@1051.82,277.83 1051.82,260.9 1052.01,260.72 v1(1052.01,233.46) ; v1(1052.01,355.51) HB.56@1052.01,390.88 ; HA.54@1067.76,1732.53 v1(1067.76,1780.71) ; rPI1.52@1083.32,1620.91 1083.32,1574.2 v1(1083.5,1574.02) ; rPI1.150@1099.06,277.83 1099.06,294.76 1099.25,294.95 v1(1099.25,320.08) ; rPI1.43@1146.31,1742.17 1146.31,1696.25 v1(1146.5,1696.06) ; rPI1.42@1162.06,1620.91 1162.06,1660.44 v1(1162.24,1660.63) ; HB.37@1193.74,284.18 1193.74,320.08 ; HB.38@1193.74,390.88 1193.74,442.13 ; rPI1.33@1225.05,1742.17 1225.05,1780.52 v1(1225.24,1780.71) ; rPI1.32@1240.8,1620.91 1240.8,1574.2 v1(1240.98,1574.02) ; 1240.98,355.51 HB.32@1240.98,390.88 ; rPI1.126@1288.04,277.83 1288.04,319.89 v1(1288.23,320.08) ; HB.26@1288.23,390.88 1288.23,442.13 ; rPI1.23@1303.79,1742.17 1303.79,1696.25 v1(1303.98,1696.06) ; rPI1.22@1319.54,1620.91 1319.54,1660.44 v1(1319.72,1660.63) ; rPI1.120@1335.29,277.83 1335.29,233.65 v1(1335.47,233.46) ; rPI1.119@1335.29,399.09 1335.29,355.7 v1(1335.47,355.51) ; rPI1.113@1382.53,399.09 1382.53,441.94 v1(1382.72,442.13) ; rPI1.13@1382.53,1742.17 1382.53,1780.52 v1(1382.72,1780.71) ; HB.13@1382.72,284.18 v1(1382.72,320.08) ; HA.13@1382.72,1625.84 v1(1382.72,1660.63) ; rPI1.108@1429.77,277.83 1429.77,233.65 v1(1429.96,233.46) ; rPI1.107@1429.77,399.09 1429.77,355.7 1429.96,355.51 ; rPI1.7@1429.77,1742.17 1429.77,1696.25 v1(1429.96,1696.06) ; v1(1429.96,1574.02) HA.7@1429.96,1625.84 ; rPI1.1@1477.02,1742.17 1477.02,1780.52 v1(1477.2,1780.71) ; HA.1@1477.2,1625.84 v1(1477.2,1660.63)
HDMI0_CEC: H2.51 HB.52 rPI1.151 rxPI1.151 | length 87.3
  Top Layer w6.3: H2.51@1083.32,399.09 1083.41,399 1083.41,355.61 v1(1083.5,355.51)
  Bottom Layer w6.3: rPI1.151@1083.32,399.09 1083.32,382.16 1083.5,381.98 v1(1083.5,355.51)
HDMI0_CLK_N: H2.90 HB.89 rPI1.190 rxPI1.190 | length 78.2
  Top Layer w6.3: H2.90@784.1,277.83 784.2,277.93 784.2,319.99 v1(784.29,320.08)
  Bottom Layer w6.3: HB.89@784.29,284.18 v1(784.29,320.08)
HDMI0_CLK_P: H2.88 HB.87 rPI1.188 rxPI1.188 | length 88.9
  Top Layer w6.3: H2.88@799.85,277.83 799.95,277.74 799.95,233.56 v1(800.04,233.46)
  Bottom Layer w6.3: rPI1.188@799.85,277.83 799.85,260.9 800.04,260.72 v1(800.04,233.46)
HDMI0_HOTPLUG: H2.53 HB.54 rPI1.153 rxPI1.153 | length 87.5
  Top Layer w6.3: H2.53@1067.57,399.09 1068.36,399.88 1068.36,441.24 v1(1069.25,442.13)
  Bottom Layer w6.3: rPI1.153@1067.57,399.09 1068.5,400.03 1068.5,441.38 v1(1069.25,442.13)
HDMI0_SCL: H2.100 HB.99 rPI1.200 rxPI1.200 | length 88.9
  Top Layer w6.3: H2.100@705.36,277.83 705.46,277.74 705.46,233.56 v1(705.55,233.46)
  Bottom Layer w6.3: rPI1.200@705.36,277.83 705.36,260.9 705.55,260.72 v1(705.55,233.46)
HDMI0_SDA: H2.99 HB.100 rPI1.199 rxPI1.199 | length 79
  Top Layer w6.3: H2.99@705.36,399.09 705.46,399 705.46,355.61 v1(705.55,355.51)
  Bottom Layer w6.3: v1(705.55,355.51) HB.100@705.55,390.88